# Altium PCB Slave_LHS.PcbDoc (part 2 of 3) (continued)
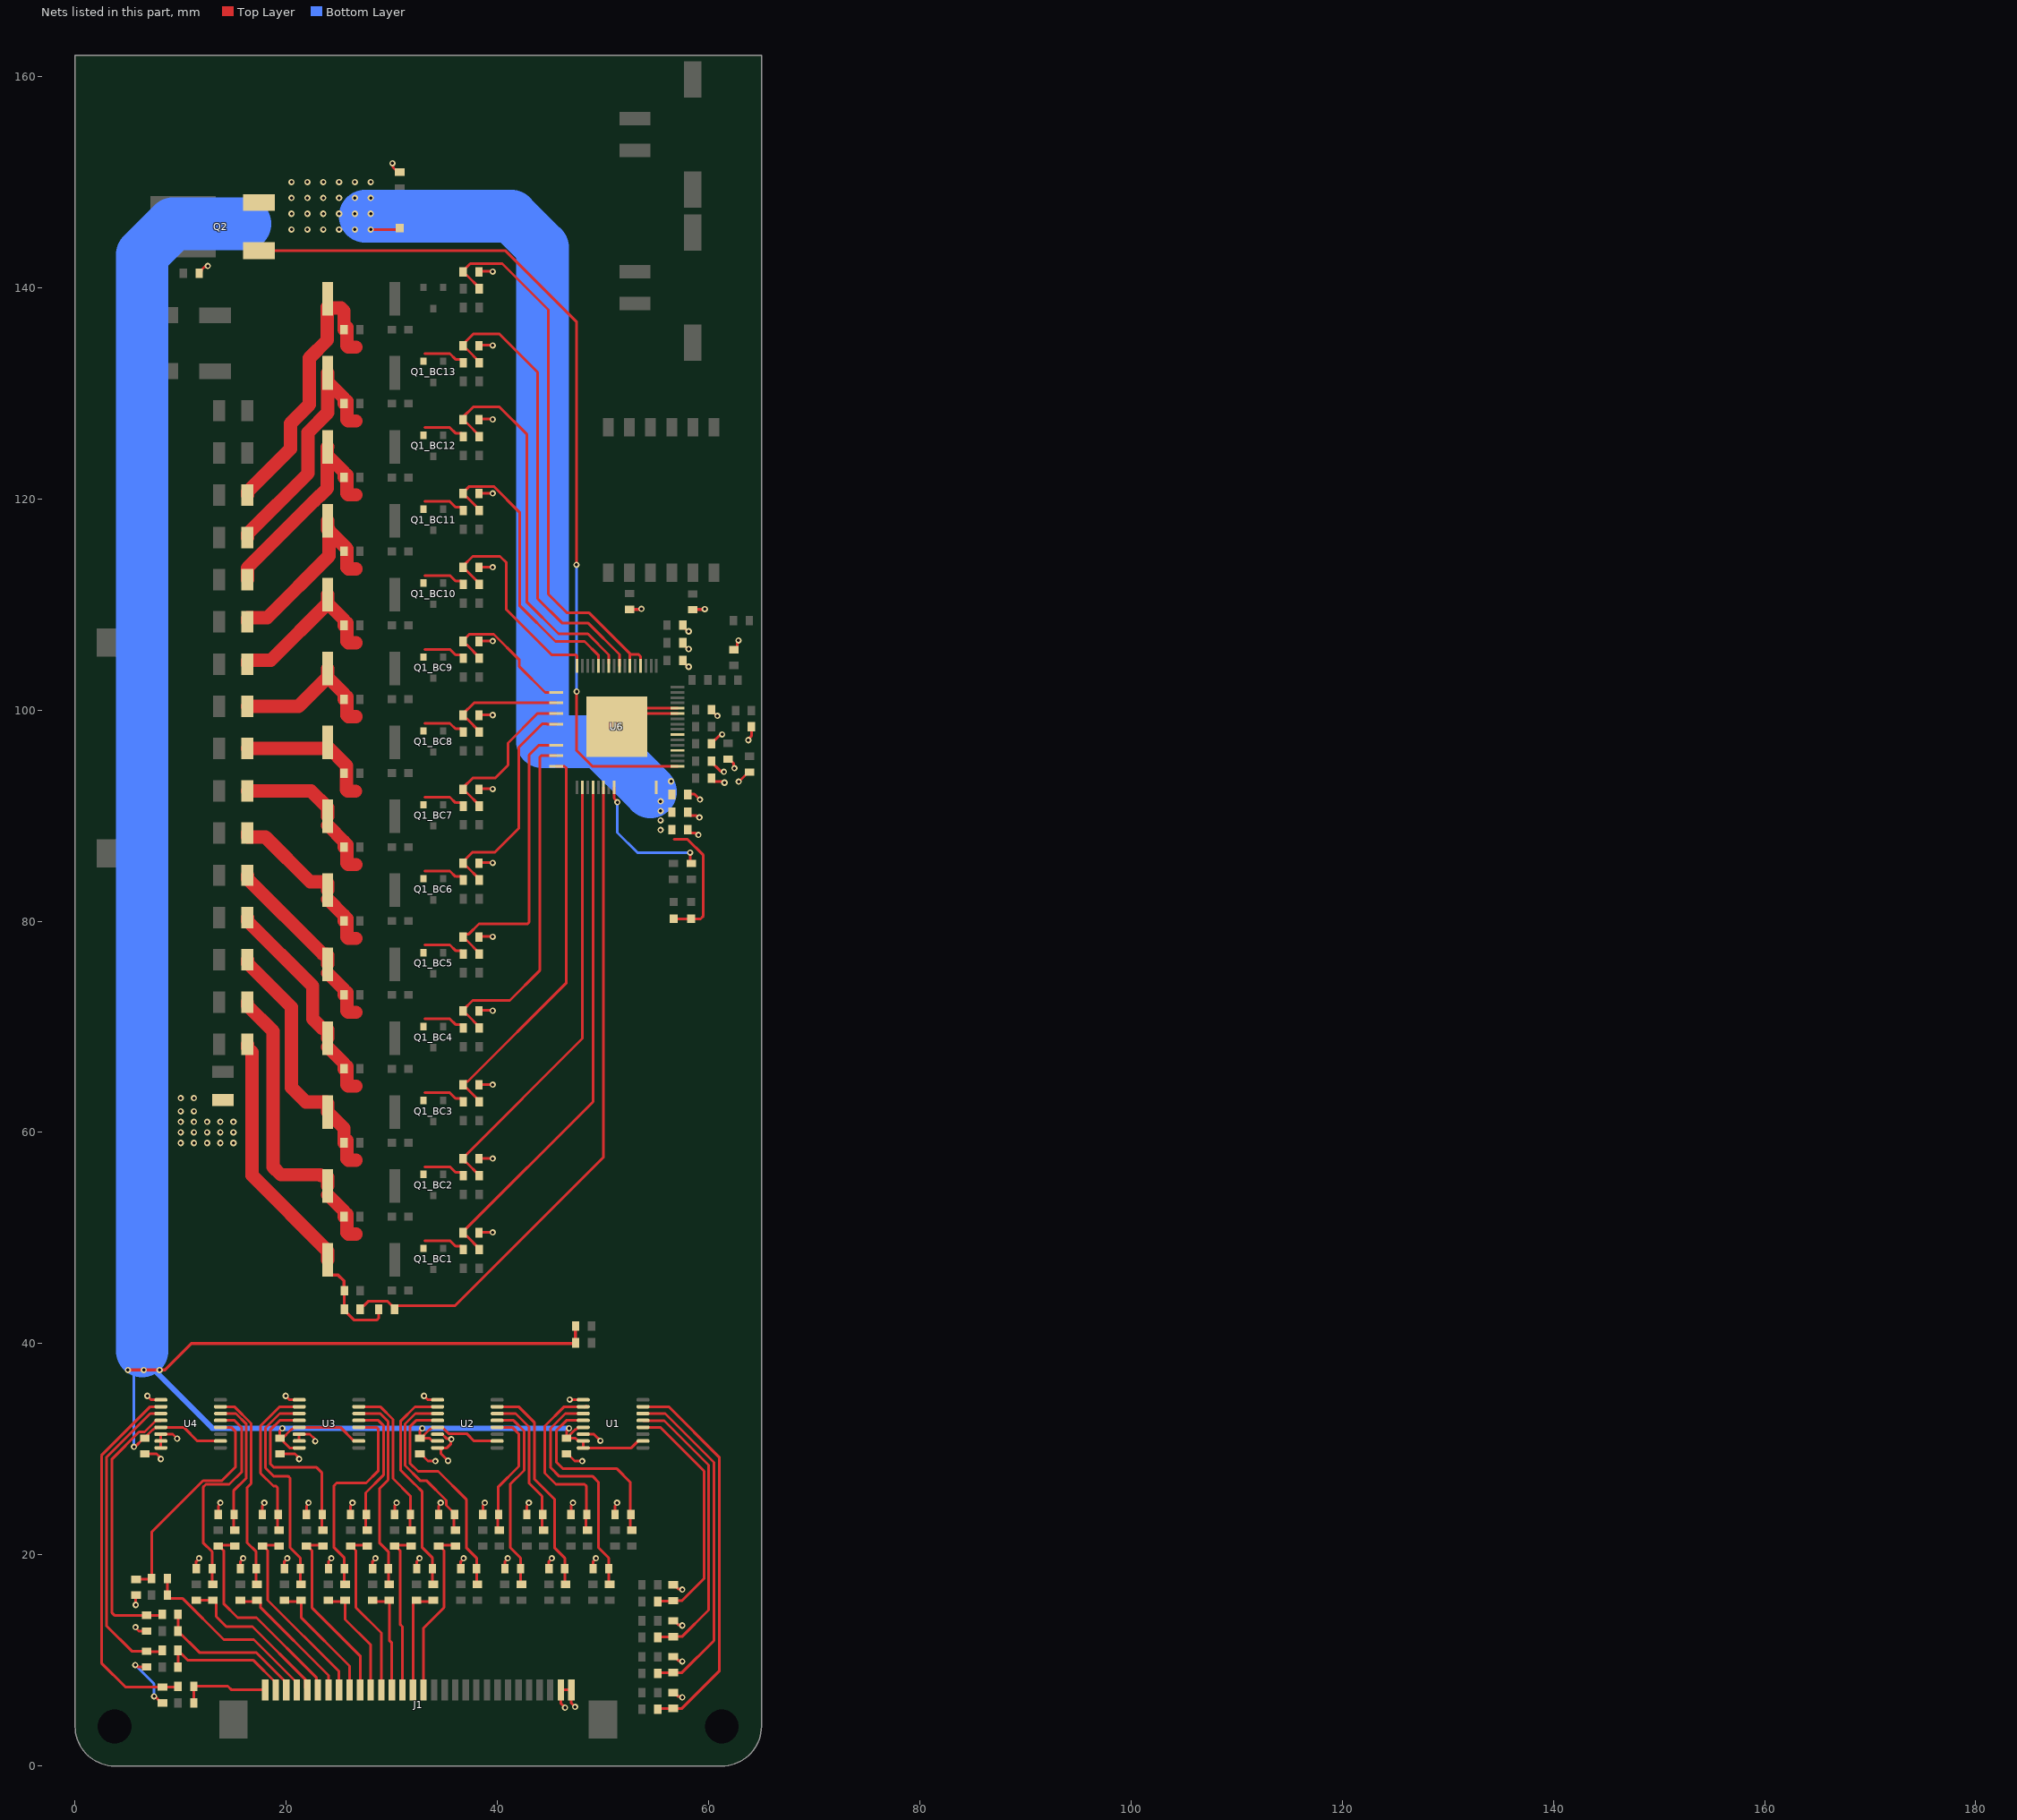
[diagram p2: the nets of this part, all layers, seen from the top]
## Part data (continued)
U6: "Multicell battery stack monitor that measures up to 15 series connected battery cells"

## Via types
v1: diameter 0.6, hole 0.3, Top Layer to Bottom Layer, 180 vias

## Nets (pads, with @x,y where several pads share a name; then routed paths per layer and width w, separated by ;. In a path a pad name is that pad's centre, name@x,y a point inside that pad or via, vN(x,y) a via of type N, cw(c..) or ccw(c..) an arc to the next point about the centre after c; other vN are vias at no path point)
+5: C1.2 C2.2 C3.2 C4.2 C13.2 C14.2 C15.2 D2.2 D3.2 D4.2 Q2.3 R1.2 R2.2 R11.1 U1.2 U1.13 U1.15 U1.16 U2.2 U2.13 U2.15 U3.2 U3.13 U3.16 U4.2 U4.13 U6.48 U6.52 U6.55 | length 345.9
  Top Layer w0.254: v1(5.575,30.225) 5.675,30.225 6.5,31.05 C4.2@6.55,31.05 ; C4.2@6.6,31.05 C4.2@6.55,31.05 ; U4.13@7.969,32.057 ccw(c7.969,31.061) 7.265,31.765 C4.2@6.55,31.05 ; U4.13@8.125,32.075 10.291,32.075 11.591,30.775 U4.2@13.775,30.775 ; v1(19.625,31.975) 19.4,31.75 C3.2@19.4,31.05 19.5,31.05 19.723,30.827 19.723,30.727 20.325,30.125 U3.16@21.225,30.125 ; C3.2@19.65,31.05 20.365,31.765 cw(c21.069,31.061) U3.13@21.069,32.057 ; U3.13@21.225,32.075 25.125,32.075 26.425,30.775 U3.2@26.875,30.775 ; v1(28,145.5) 30.6,145.5 D2.2@30.75,145.65 ; v1(32.875,31.975) 32.65,31.75 C2.2@32.65,31.05 C2.2@32.75,31.05 ; U2.13@34.169,32.057 ccw(c34.169,31.061) 33.465,31.765 C2.2@32.75,31.05 ; U2.15@34.325,30.775 33.849,30.775 33.574,31.05 C2.2@32.75,31.05 ; U2.13@34.325,32.075 34.775,32.075 35.371,31.479 37.087,31.479 37.791,30.775 U2.2@39.975,30.775 ; v1(46.775,31.975) 46.55,31.75 C1.2@46.55,31.05 ; U1.13@47.969,32.057 ccw(c47.969,31.061) 47.265,31.765 C1.2@46.55,31.05 ; U1.2@53.775,30.775 53.325,30.775 52.675,30.125 U1.16@48.125,30.125 U1.15@48.125,30.775 47.656,30.775 47.381,31.05 C1.2@46.55,31.05 ; D4.2@56.675,80.225 59.225,80.225 59.5,80.5 59.5,86.25 58,87.75 56.75,87.75 ; v1(63.75,97.15) 63.75,97.244 64.05,97.544 R11.1@64.05,98.425 64.05,98.554 R11.1@64.098,98.602
  Top Layer w0.305: v1(5,37.5) v1(6.5,37.5) v1(8,37.5) 8.5,37.5 11,40 47.4,40 R2.2@47.4,41.65
  Bottom Layer w0.254: v1(5.575,30.225) 5.575,38.525 6,38.95
  Bottom Layer w0.508: 7.775,37.225 12.975,32.025 12.975,31.975 v1(19.625,31.975) v1(32.875,31.975) v1(46.775,31.975)
  Bottom Layer w5: 6.35,39.325 6.35,143.121 9.279,146.05 16.1,146.05 ; 27.5,146.75 41.321,146.75 44.25,143.821 44.25,97 49.75,97 54.5,92.25
  other v1: 55.45,88.65 55.45,89.55 55.45,90.45 55.45,91.35 56.45,93.25 20.5,145.5 22,145.5 23.5,145.5 25,145.5 26.5,145.5 20.5,147 22,147 23.5,147 25,147 26.5,147 28,147 20.5,148.5 22,148.5 23.5,148.5 25,148.5 26.5,148.5 28,148.5 20.5,150 22,150 23.5,150 25,150 26.5,150 28,150
ADCIN1: C22_AFE1.2 R22_AFE1.2 U4.10 | length 35.4
  Top Layer w0.254: U4.10@8.125,34.025 7.119,34.025 2.5,29.406 2.5,9.75 4.763,7.488 8.263,7.488 C22_AFE1.2@8.275,7.475 9.675,7.475 R22_AFE1.2@9.75,7.55
ADCIN2: C22_AFE2.2 R22_AFE2.2 U4.11 | length 29.2
  Top Layer w0.254: C22_AFE2.2@6.775,10.813 8.25,10.813 R22_AFE2.2@8.25,10.95 ; C22_AFE2.2@6.775,10.875 5.365,10.875 3,13.24 3,29.256 7.119,33.375 U4.11@8.125,33.375
ADCIN3: C22_AFE3.2 R22_AFE3.2 U4.12 | length 25.6
  Top Layer w0.254: U4.12@8.125,32.725 8.094,32.694 7.644,32.694 6.579,31.629 6.055,31.629 3.5,29.073 3.5,14.5 3.725,14.275 C22_AFE3.2@6.775,14.275 8.175,14.275 R22_AFE3.2@8.25,14.35
ADCIN4: C22_AFE4.2 R22_AFE4.2 U4.4 | length 21.3
  Top Layer w0.254: C22_AFE4.2@5.913,17.675 7.175,17.675 R22_AFE4.2@7.25,17.75 ; R22_AFE4.2@7.25,17.827 7.25,22.15 12.125,27.025 13.898,27.025 15.206,28.333 15.206,31.65 14.781,32.075 U4.4@13.775,32.075 ; C22_AFE4.2@5.775,17.675 5.875,17.675 C22_AFE4.2@5.775,17.675
ADCIN5: C22_AFE5.2 R22_AFE5.2 U4.5 | length 20.3
  Top Layer w0.254: R22_AFE5.2@13.05,17.2 12.975,17.275 C22_AFE5.2@12.975,18.675 12.975,20.289 12.121,21.143 12.121,26.396 12.394,26.669 14.597,26.669 15.8,27.872 15.8,32.028 15.103,32.725 U4.5@13.775,32.725
ADCIN6: C22_AFE6.2 R22_AFE6.2 U4.6 | length 13.4
  Top Layer w0.254: U4.6@13.775,33.375 15.234,33.375 16.225,32.384 16.225,27.275 15.006,26.056 15.006,23.856 C22_AFE6.2@15.063,23.8 ; R22_AFE6.2@15,22.325 C22_AFE6.2@15,23.8
ADCIN7: C22_AFE7.2 R22_AFE7.2 U4.7 | length 19.3
  Top Layer w0.254: U4.7@13.775,34.025 15.087,34.025 16.675,32.437 16.675,26.747 16.296,26.369 16.296,21.143 17.15,20.289 C22_AFE7.2@17.15,18.675 17.15,17.275 R22_AFE7.2@17.225,17.2
ADCIN8: C22_AFE8.2 R22_AFE8.2 U3.10 | length 15.1
  Top Layer w0.254: R22_AFE8.2@19.175,22.325 C22_AFE8.2@19.175,23.8 ; C22_AFE8.2@19.238,23.8 19.181,23.856 19.181,26.351 19.032,26.5 18.79,26.5 17.567,27.723 17.567,32.201 19.391,34.025 U3.10@21.225,34.025
ADCIN9: C22_AFE9.2 R22_AFE9.2 U3.11 | length 20.8
  Top Layer w0.254: U3.11@21.225,33.375 19.383,33.375 18.021,32.013 18.021,28.229 18.825,27.425 20.201,27.425 20.35,27.276 20.35,20.675 21.325,19.7 C22_AFE9.2@21.325,18.675 21.325,17.275 R22_AFE9.2@21.4,17.2
ADCIN10: C22_AFE10.2 R22_AFE10.2 U3.12 | length 17
  Top Layer w0.254: U3.12@21.225,32.725 19.375,32.725 18.475,31.825 18.475,28.625 18.825,28.275 22.875,28.275 23.356,27.794 23.356,23.856 C22_AFE10.2@23.413,23.8 ; R22_AFE10.2@23.35,22.325 C22_AFE10.2@23.35,23.8
ADCIN11: C22_AFE11.2 R22_AFE11.2 U3.4 | length 20.4
  Top Layer w0.254: R22_AFE11.2@25.575,17.2 25.5,17.275 C22_AFE11.2@25.5,18.675 25.5,19.7 24.525,20.675 24.525,26.552 24.773,26.8 27.575,26.8 28.7,27.925 28.7,31.926 28.551,32.075 U3.4@26.875,32.075
ADCIN12: C22_AFE12.2 R22_AFE12.2 U3.5 | length 13.2
  Top Layer w0.254: U3.5@26.875,32.725 28.725,32.725 29.2,32.25 29.2,27.55 27.531,25.881 27.531,23.856 C22_AFE12.2@27.588,23.8 ; R22_AFE12.2@27.525,22.325 C22_AFE12.2@27.525,23.8
ADCIN13: C22_AFE13.2 R22_AFE13.2 U3.6 | length 19.2
  Top Layer w0.254: U3.6@26.875,33.375 28.903,33.375 29.65,32.628 29.65,27.084 28.821,26.256 28.821,21.143 29.675,20.289 C22_AFE13.2@29.675,18.675 29.675,17.275 R22_AFE13.2@29.75,17.2
ADCIN14: C22_AFE14.2 R22_AFE14.2 U3.7 | length 14.9
  Top Layer w0.254: U3.7@26.875,34.025 28.9,34.025 30.1,32.825 30.1,27.225 31.763,25.562 C22_AFE14.2@31.763,23.8 ; R22_AFE14.2@31.7,22.325 C22_AFE14.2@31.7,23.8
ADCIN15: C22_AFE15.2 R22_AFE15.2 U2.10 | length 20.8
  Top Layer w0.254: R22_AFE15.2@33.925,17.2 33.85,17.275 C22_AFE15.2@33.85,18.675 33.85,19.7 32.875,20.675 32.875,25.975 32.179,26.671 32.17,26.671 30.85,27.991 30.85,32.675 32.182,34.007 34.307,34.007 U2.10@34.325,34.025
ADCIN16: C22_AFE16.2 R22_AFE16.2 U2.11 | length 15.8
  Top Layer w0.254: U2.11@34.325,33.375 32.225,33.375 31.25,32.4 31.25,28.45 32.673,27.027 33.271,27.027 35.154,25.144 35.154,24.684 35.881,23.956 35.881,23.856 C22_AFE16.2@35.938,23.8 ; R22_AFE16.2@35.875,22.325 C22_AFE16.2@35.875,23.8
ADCIN17: C22_AFE17.2 R22_AFE17.2 U2.12 | length 21.6
  Top Layer w0.254: U2.12@34.325,32.725 33.573,32.725 32.3,32.725 31.7,32.125 31.7,28.675 32.475,27.9 34.4,27.9 37.05,25.25 37.05,20.675 38.025,19.7 C22_AFE17.2@38.025,18.675 38.025,17.275 R22_AFE17.2@38.1,17.2
ADCIN18: C22_AFE18.2 R22_AFE18.2 U2.4 | length 12.3
  Top Layer w0.254: U2.4@39.975,32.075 41.4,32.075 42.025,31.45 42.025,28.375 40.056,26.406 40.056,23.856 C22_AFE18.2@40.113,23.8 ; R22_AFE18.2@40.05,22.325 C22_AFE18.2@40.05,23.8
ADCIN19: C22_AFE19.2 R22_AFE19.2 U2.5 | length 18.5
  Top Layer w0.254: U2.5@39.975,32.725 41.525,32.725 42.525,31.725 42.525,28 41.225,26.7 41.225,20.675 42.2,19.7 C22_AFE19.2@42.2,18.675 42.2,17.275 R22_AFE19.2@42.275,17.2
ADCIN20: C22_AFE20.2 R22_AFE20.2 U2.6 | length 13.9
  Top Layer w0.254: U2.6@39.975,33.375 41.725,33.375 43,32.1 43,26.775 44.231,25.544 44.231,23.856 C22_AFE20.2@44.288,23.8 ; R22_AFE20.2@44.225,22.325 C22_AFE20.2@44.225,23.8
ADCIN21: C22_AFE21.2 R22_AFE21.2 U2.7 | length 20.7
  Top Layer w0.254: U2.7@39.975,34.025 42,34.025 43.525,32.5 43.525,27.15 45.4,25.275 45.4,20.675 46.375,19.7 C22_AFE21.2@46.375,18.675 46.375,17.275 R22_AFE21.2@46.45,17.2
ADCIN22: C22_AFE22.2 R22_AFE22.2 U1.10 | length 17.7
  Top Layer w0.254: U1.10@48.125,34.025 46.317,34.025 44.475,32.183 44.475,27.742 45.542,26.675 48.257,26.675 48.406,26.526 48.406,23.856 C22_AFE22.2@48.463,23.8 ; U1.10@48.272,33.969 U1.10@48.406,34.104 ; R22_AFE22.2@48.4,22.325 C22_AFE22.2@48.4,23.8
ADCIN23: C22_AFE23.2 R22_AFE23.2 U1.11 | length 22.6
  Top Layer w0.254: U1.11@48.125,33.375 46.421,33.375 45.025,31.979 45.025,28.259 45.863,27.421 49.029,27.421 49.575,26.875 49.575,20.675 50.55,19.7 C22_AFE23.2@50.55,18.675 50.55,17.275 R22_AFE23.2@50.625,17.2
ADCIN24: C22_AFE24.2 R22_AFE24.2 U1.12 | length 18.3
  Top Layer w0.254: U1.12@48.138,32.725 46.525,32.725 45.575,31.775 45.575,28.775 46.175,28.175 51.281,28.175 52.581,26.875 52.581,23.856 C22_AFE24.2@52.638,23.8 ; R22_AFE24.2@52.575,22.325 C22_AFE24.2@52.575,23.8
ADCIN25: C22_AFE25.2 R22_AFE25.2 U1.4 | length 23
  Top Layer w0.254: U1.4@53.775,32.075 54.372,32.075 55.425,32.075 59.579,27.921 59.579,17.748 57.481,15.65 C22_AFE25.2@56.65,15.65 ; R22_AFE25.2@55.175,15.575 55.175,15.625 C22_AFE25.2@56.65,15.625
ADCIN26: C22_AFE26.2 R22_AFE26.2 U1.5 | length 27.6
  Top Layer w0.254: U1.5@53.775,32.725 53.806,32.694 55.806,32.694 60,28.5 60,14.769 57.481,12.25 C22_AFE26.2@56.65,12.25 ; R22_AFE26.2@55.175,12.175 55.175,12.225 C22_AFE26.2@56.65,12.225
ADCIN27: C22_AFE27.2 R22_AFE27.2 U1.6 | length 32.1
  Top Layer w0.254: U1.6@53.775,33.375 55.875,33.375 60.5,28.75 60.5,11.869 57.481,8.85 C22_AFE27.2@56.65,8.85 ; R22_AFE27.2@55.175,8.775 55.175,8.825 C22_AFE27.2@56.65,8.825
ADCIN28: C22_AFE28.2 R22_AFE28.2 U1.7 | length 36.8
  Top Layer w0.254: U1.7@53.775,34.025 56.225,34.025 61,29.25 61,8.969 57.481,5.45 C22_AFE28.2@56.65,5.45 ; R22_AFE28.2@55.175,5.375 55.175,5.425 C22_AFE28.2@56.65,5.425
C0: C17.2 R16.2 U6.38 | length 64.7
  Top Layer w0.254: R16.2@27,43.25 27,43.35 27.223,43.573 27.323,43.573 27.75,44 29.6,44 C17.2@30.25,43.35 ; C17.2@30.25,43.25 C17.2@30.25,43.35 ; U6.38@50.05,92.675 50.05,57.666 35.957,43.573 30.473,43.573 C17.2@30.25,43.35
C1: C5_BC1.2 R3_BC1.2 U6.36 | length 49.6
  Top Layer w0.254: R3_BC1.2@38.275,48.9 38.275,49 37.098,50.177 36.973,50.177 36.75,50.4 36.75,50.6 49.05,62.9 U6.36@49.05,92.675
C2: C5_BC2.2 R3_BC2.2 U6.34 | length 42
  Top Layer w0.254: C5_BC2.2@36.71,57.486 36.71,57.386 36.933,57.163 37.058,57.163 38.235,55.986 R3_BC2.2@38.235,55.886 ; C5_BC2.2@36.75,57.65 36.8,57.65 48.05,68.9 U6.34@48.05,92.675
C3: C5_BC3.2 R3_BC3.2 U6.32 | length 37.5
  Top Layer w0.254: R3_BC3.2@38.275,62.9 38.275,63 37.098,64.177 36.973,64.177 36.75,64.4 36.75,64.6 36.973,64.823 37.198,64.823 46.5,74.125 46.5,94.526 46.351,94.675 U6.32@45.55,94.675
C4: C5_BC4.2 R3_BC4.2 U6.30 | length 33
  Top Layer w0.254: R3_BC4.2@38.275,69.9 38.275,70 37.098,71.177 36.973,71.177 36.75,71.4 C5_BC4.2@36.75,71.5 36.75,71.6 37.65,72.5 41.175,72.5 44,75.325 44,95.526 44.149,95.675 U6.30@45.55,95.675
C5: C5_BC5.2 R3_BC5.2 U6.28 | length 28
  Top Layer w0.254: R3_BC5.2@38.275,76.9 38.275,77 37.098,78.177 36.973,78.177 36.75,78.4 36.75,78.567 36.973,78.79 37.29,78.79 38.25,79.75 42.851,79.75 43,79.899 43,95.75 43.925,96.675 U6.28@45.55,96.675
C6: C5_BC6.2 R3_BC6.2 U6.24 | length 21
  Top Layer w0.254: C5_BC6.2@36.75,85.5 36.75,85.4 36.973,85.177 37.098,85.177 38.275,84 R3_BC6.2@38.275,83.9 ; C5_BC6.2@36.75,85.65 37.65,86.55 39.772,86.55 42.008,88.786 42.008,96.459 44.228,98.679 44.7,98.679 44.702,98.677 45.548,98.677 U6.24@45.55,98.675
C7: C5_BC7.2 R3_BC7.2 U6.22 | length 15.3
  Top Layer w0.254: C5_BC7.2@36.75,92.5 36.75,92.4 36.973,92.177 37.098,92.177 38.275,91 R3_BC7.2@38.275,90.9 ; C5_BC7.2@36.75,92.65 37.65,93.55 39.772,93.55 41,94.778 41,96.876 43.811,99.687 44.7,99.687 44.71,99.677 45.548,99.677 U6.22@45.55,99.675
C8: C5_BC8.2 R3_BC8.2 U6.20 | length 11.5
  Top Layer w0.254: C5_BC8.2@36.75,99.5 36.75,99.4 36.973,99.177 37.098,99.177 38.275,98 R3_BC8.2@38.275,97.9 ; C5_BC8.2@36.75,99.65 37.775,100.675 U6.20@45.55,100.675
C9: C5_BC9.2 R3_BC9.2 U6.18 | length 14.1
  Top Layer w0.254: R3_BC9.2@38.275,104.9 38.275,105 37.098,106.177 36.973,106.177 36.75,106.4 36.75,106.6 37.329,107.179 39.644,107.179 42.081,104.741 42.081,104.113 44.519,101.675 U6.18@45.55,101.675
C10: C5_BC10.2 R3_BC10.2 U6.16 | length 20.9
  Top Layer w0.254: C5_BC10.2@36.75,113.5 36.75,113.4 36.973,113.177 37.098,113.177 38.275,112 R3_BC10.2@38.275,111.9 ; C5_BC10.2@36.75,113.65 37.65,114.55 40.25,114.55 40.85,113.95 40.85,109.5 45.112,105.238 47.401,105.238 47.55,105.089 U6.16@47.55,104.175
C11: C5_BC11.2 R3_BC11.2 U6.12 | length 28.2
  Top Layer w0.254: C5_BC11.2@36.75,120.5 36.75,120.4 36.973,120.177 37.098,120.177 38.275,119 R3_BC11.2@38.275,118.9 ; C5_BC11.2@36.75,120.6 37.329,121.179 39.644,121.179 42.089,118.734 42.089,109.905 45.492,106.502 48.254,106.502 49.55,105.206 U6.12@49.55,104.175
C12: C5_BC12.2 R3_BC12.2 U6.10 | length 36.3
  Top Layer w0.254: C5_BC12.2@36.75,127.5 36.75,127.4 36.973,127.177 37.098,127.177 38.275,126 R3_BC12.2@38.275,125.9 ; C5_BC12.2@36.75,127.75 37.716,128.716 40.184,128.716 42.8,126.1 42.8,110.2 45.787,107.213 48.562,107.213 50.55,105.225 U6.10@50.55,104.425
C13: C5_BC13.2 R3_BC13.2 U6.8 | length 43.7
  Top Layer w0.254: C5_BC13.2@36.75,134.5 36.75,134.4 36.973,134.177 37.098,134.177 38.275,133 R3_BC13.2@38.275,132.9 ; C5_BC13.2@36.75,134.65 37.716,135.616 40.184,135.616 43.808,131.992 43.808,110.557 46.144,108.221 48.604,108.221 51.55,105.275 U6.8@51.55,104.175
C14: C5_BC14.2 R3_BC14.2 U6.4 U6.6 | length 52.7
  Top Layer w0.254: R3_BC14.2@38.275,139.9 38.275,140 37.098,141.177 36.973,141.177 36.75,141.4 C5_BC14.2@36.75,141.5 36.75,141.6 37.425,142.275 40.45,142.275 44.816,137.909 44.816,110.975 46.562,109.229 48.646,109.229 52.55,105.325 ; U6.6@52.55,104.175 52.55,105.325 ; U6.4@53.55,104.175 53.55,105.075 53.375,105.25 52.625,105.25 52.55,105.325
CB1: C1.1 C2.1 C3.1 C4.1 C5_BC1.1 C5_BC2.1 C5_BC3.1 C5_BC4.1 C5_BC5.1 C5_BC6.1 C5_BC7.1 C5_BC8.1 C5_BC9.1 C5_BC10.1 C5_BC11.1 C5_BC12.1 C5_BC13.1 C5_BC14.1 C6.1 C7.1 C8.1 C9.1 C10.1 C11.1 C12.1 C13.1 C14.1 C15.1 C16.1 C17.1 C18.1 C19.1 C20.2 C21.1 C22_AFE1.1 C22_AFE2.1 C22_AFE3.1 C22_AFE4.1 C22_AFE5.1 C22_AFE6.1 C22_AFE7.1 C22_AFE8.1 C22_AFE9.1 C22_AFE10.1 C22_AFE11.1 C22_AFE12.1 C22_AFE13.1 C22_AFE14.1 C22_AFE15.1 C22_AFE16.1 C22_AFE17.1 C22_AFE18.1 C22_AFE19.1 C22_AFE20.1 C22_AFE21.1 C22_AFE22.1 C22_AFE23.1 C22_AFE24.1 C22_AFE25.1 C22_AFE26.1 C22_AFE27.1 C22_AFE28.1 F3.2 F4.2 J1.29 J1.30 R5_BC1.2 R6_BC1.1 R7.1 R12.1 R16.1 U1.9 U1.14 U2.9 U2.14 U2.16 U3.9 U3.14 U3.15 U4.9 U4.14 U4.15 U4.16 U6.59 U6.60 U6.65 | length 145.4
  Top Layer w0.254: v1(5.697,9.563) 5.744,9.563 5.925,9.381 6.769,9.381 C22_AFE2.1@6.775,9.375 ; v1(5.725,13.15) 5.725,13.09 6.034,12.781 6.769,12.781 C22_AFE3.1@6.775,12.775 ; v1(5.75,15.25) 5.75,16.15 C22_AFE4.1@5.775,16.175 ; C4.1@6.6,29.55 7.725,29.55 v1@8,29.275 ; v1(6.85,35.05) 7.225,34.675 U4.9@8.125,34.675 ; v1(7.475,6.6) 7.55,6.6 8.175,5.975 C22_AFE1.1@8.275,5.975 ; U4.16@8.125,30.125 U4.15@8.125,30.775 U4.14@8.125,31.425 9.25,31.425 v1(9.675,31) ; C22_AFE5.1@11.475,18.675 11.475,19.366 11.75,19.641 v1(11.75,19.675) ; C16.1@11.75,141.35 11.973,141.573 11.973,141.685 12.272,141.984 12.509,141.984 v1(12.575,142.05) ; C22_AFE6.1@13.563,23.8 13.569,23.806 13.569,24.65 13.75,24.831 v1(13.75,24.925) ; C22_AFE7.1@15.65,18.675 15.65,19.366 15.925,19.641 v1(15.925,19.675) ; C22_AFE8.1@17.738,23.8 17.744,23.806 17.744,24.65 17.925,24.831 v1(17.925,24.925) ; C3.1@19.4,29.55 20.825,29.55 v1@21.1,29.275 ; C22_AFE9.1@19.825,18.675 19.825,19.366 20.1,19.641 v1(20.1,19.675) ; v1(19.95,35.05) 20.325,34.675 U3.9@21.225,34.675 ; U3.15@21.225,30.775 U3.14@21.225,31.425 22.231,31.425 22.684,30.972 22.684,30.816 v1(22.75,30.75) ; C22_AFE10.1@21.913,23.8 21.919,23.806 21.919,24.65 22.1,24.831 v1(22.1,24.925) ; C22_AFE11.1@24,18.675 24,19.366 24.275,19.641 v1(24.275,19.675) ; R6_BC1.1@25.5,45.025 R16.1@25.5,43.25 25.5,43.15 26.4,42.25 28.601,42.25 28.75,42.399 C17.1@28.75,43.25 ; C22_AFE12.1@26.088,23.8 26.094,23.806 26.094,24.65 26.275,24.831 v1(26.275,24.925) ; C22_AFE13.1@28.175,18.675 28.175,19.366 28.45,19.641 v1(28.45,19.675) ; v1(30.05,151.775) 30.115,151.71 30.115,151.385 30.327,151.173 30.527,151.173 R12.1@30.75,150.95 ; C22_AFE14.1@30.263,23.8 30.269,23.806 30.269,24.65 30.45,24.831 v1(30.45,24.925) ; C22_AFE15.1@32.35,18.675 32.35,19.366 32.625,19.641 v1(32.625,19.675) ; C2.1@32.65,29.55 32.75,29.55 33.425,28.875 v1(34.125,28.875) ; v1(33.05,35.05) 33.425,34.675 U2.9@34.325,34.675 ; U2.16@34.325,30.125 U2.16@34.616,30.125 ; U2.14@34.325,31.425 34.775,31.425 35.184,31.016 35.559,31.016 v1(35.625,30.95) 35.559,30.884 35.559,30.467 35.217,30.125 U2.16@34.616,30.125 ; C22_AFE16.1@34.438,23.8 34.444,23.806 34.444,24.65 34.625,24.831 v1(34.625,24.925) ; v1(35.325,28.9) 34.661,29.564 34.661,30.081 U2.16@34.616,30.125 ; C22_AFE17.1@36.525,18.675 36.525,19.366 36.8,19.641 v1(36.8,19.675) ; C5_BC1.1@38.3,50.55 39.525,50.55 v1(39.55,50.525) ; C5_BC2.1@38.3,57.55 39.525,57.55 v1(39.55,57.525) ; C5_BC3.1@38.3,64.55 39.525,64.55 v1(39.55,64.525) ; C5_BC4.1@38.3,71.55 39.525,71.55 v1(39.55,71.525) ; C5_BC5.1@38.3,78.55 39.525,78.55 v1(39.55,78.525) ; C5_BC6.1@38.3,85.55 39.525,85.55 v1(39.55,85.525) ; C5_BC7.1@38.3,92.55 39.525,92.55 v1(39.55,92.525) ; C5_BC8.1@38.3,99.55 39.525,99.55 v1(39.55,99.525) ; C5_BC9.1@38.3,106.55 39.525,106.55 v1(39.55,106.525) ; C5_BC10.1@38.3,113.55 39.525,113.55 v1(39.55,113.525) ; C5_BC11.1@38.3,120.55 39.525,120.55 v1(39.55,120.525) ; C5_BC12.1@38.3,127.55 39.525,127.55 v1(39.55,127.525) ; C5_BC13.1@38.3,134.55 39.525,134.55 v1(39.55,134.525) ; C5_BC14.1@38.3,141.55 39.525,141.55 v1(39.55,141.525) ; C22_AFE18.1@38.613,23.8 38.619,23.806 38.619,24.65 38.8,24.831 v1(38.8,24.925) ; C22_AFE19.1@40.7,18.675 40.7,19.366 40.975,19.641 v1(40.975,19.675) ; C22_AFE20.1@42.788,23.8 42.794,23.806 42.794,24.65 42.975,24.831 v1(42.975,24.925) ; C22_AFE21.1@44.875,18.675 44.875,19.366 45.15,19.641 v1(45.15,19.675) ; v1(46.4,5.525) 46,5.925 J1.29@46,7.2 J1.30@47,7.2 47,5.95 v1(47.35,5.6) ; C1.1@46.55,29.55 46.65,29.55 47.325,28.875 v1(48.025,28.875) ; v1(46.85,34.7) 47.582,34.7 47.589,34.693 48.007,34.693 U1.9@48.014,34.7 ; C22_AFE22.1@46.963,23.8 46.969,23.806 46.969,24.65 47.15,24.831 v1(47.15,24.925) ; U1.14@47.86,31.425 U1.14@48.125,31.425 49.125,31.425 v1(49.75,30.8) ; C22_AFE23.1@49.05,18.675 49.05,19.366 49.325,19.641 v1(49.325,19.675) ; C22_AFE24.1@51.138,23.8 51.144,23.806 51.144,24.65 51.325,24.831 v1(51.325,24.925) ; U6.65@51.3,98.425 U6.65@52.55,99.675 ; C22_AFE28.1@56.65,6.863 56.838,6.863 57.134,6.566 57.434,6.566 v1(57.5,6.5) ; C22_AFE27.1@56.65,10.263 56.838,10.263 57.134,9.966 57.434,9.966 v1(57.5,9.9) ; C22_AFE26.1@56.65,13.662 56.838,13.662 57.134,13.366 57.434,13.366 v1(57.5,13.3) ; C22_AFE25.1@56.65,17.063 56.838,17.063 57.134,16.766 57.434,16.766 v1(57.5,16.7) ; U6.59@57.05,99.675 U6.65@52.55,99.675 ; U6.60@57.05,100.175 53.05,100.175 U6.65@52.55,99.675 ; C8.1@57.75,104.425 57.75,104.402 58.047,104.105 v1(58.109,104.105) ; C6.1@57.75,106.099 57.75,106.076 58.047,105.779 v1(58.109,105.779) ; C7.1@57.75,107.773 57.75,107.75 58.047,107.453 v1(58.109,107.453) ; C15.1@58.023,92.002 58.071,92.05 58.65,92.05 v1(59.175,91.525) ; C13.1@58.047,88.553 58.246,88.354 58.752,88.354 58.931,88.175 v1(59.025,88.175) ; C14.1@58.047,90.215 58.246,90.016 58.84,90.016 59.031,89.825 v1(59.125,89.825) ; C11.1@60.275,95.15 60.275,95.05 61.109,94.216 61.384,94.216 v1(61.45,94.15) ; C9.1@60.275,96.85 61.109,97.684 v1(61.284,97.684) ; C12.1@60.402,93.402 60.402,93.323 60.498,93.227 61.304,93.227 61.406,93.125 v1(61.5,93.125) ; R7.1@60.475,99.773 60.475,99.75 60.772,99.453 v1(60.834,99.453) ; C10.1@61.85,95.35 61.95,95.35 62.384,94.916 62.384,94.563 v1(62.45,94.497) ; C18.1@62.4,105.725 62.5,105.725 62.723,105.948 62.723,106.404 62.825,106.506 v1(62.825,106.6) ; v1(62.85,93.225) 62.875,93.225 63.775,94.125 C19.1@63.875,94.125
  Top Layer w0.305: R5_BC1.2@23.925,47.933 23.925,46.853 24.283,46.495 24.9,46.495 25.463,45.932 R6_BC1.1@25.463,45.025 ; C21.1@52.587,109.538 v1@53.587,109.538 ; C20.2@58.587,109.513 v1@59.587,109.513
  Top Layer w1.27: F3.2@16.32,68.35 16.32,68.035 16.75,67.605 16.75,55.938 23.925,48.763 R5_BC1.2@23.925,47.933
  Bottom Layer w0.254: v1(5.697,9.563) 7.475,7.784 v1(7.475,6.6)
  other v1: 8.125,29.075 21.225,29.075 10,59 11.25,59 12.5,59 13.75,59 15,59 10,60 11.25,60 12.5,60 13.75,60 15,60 10,61 11.25,61 12.5,61 13.75,61 15,61 10,62 11.25,62 10,63.25 11.25,63.25 59.637,109.563 53.637,109.588
CB2: F1_BC1.2 Q1_BC1.2 R3_BC1.1 R5_BC2.2 R6_BC2.1 | length 32.5
  Top Layer w0.254: 33.098,49.75 35.5,49.75 36.027,49.223 36.552,49.223 36.775,49 R3_BC1.1@36.775,48.9
  Top Layer w1.25: F1_BC1.2@16.32,72.35 16.32,72.015 18.75,69.585 18.75,56.732 19.482,56 23.193,56 23.295,55.898 23.81,55.898 23.925,55.783 R5_BC2.2@23.925,54.933 ; R5_BC2.2@23.925,54.083 25.463,52.545 R6_BC2.1@25.463,52.025 ; R6_BC2.1@25.75,52.258 25.75,50.5 25.875,50.375 26.613,50.375
CB3: F1_BC2.2 Q1_BC2.2 R3_BC2.1 R5_BC3.2 R6_BC3.1 | length 29.4
  Top Layer w0.254: 33.098,56.75 35.5,56.75 36.027,56.223 36.552,56.223 36.775,56 R3_BC2.1@36.775,55.9
  Top Layer w1.25: R5_BC3.2@23.925,61.933 25.463,60.395 R6_BC3.1@25.463,59.025 25.517,59.025 25.75,59.258 25.75,57.5 25.875,57.375 26.613,57.375
  Top Layer w1.27: F1_BC2.2@16.32,76.35 16.32,76.035 20.5,71.855 20.5,64.244 21.856,62.888 23.8,62.888 23.925,62.763 R5_BC3.2@23.925,61.933
CB4: F1_BC3.2 Q1_BC3.2 R3_BC3.1 R5_BC4.2 R6_BC4.1 | length 24.3
  Top Layer w0.254: 33.098,63.75 35.5,63.75 36.027,63.223 36.552,63.223 36.775,63 R3_BC3.1@36.775,62.9
  Top Layer w1.25: R5_BC4.2@23.925,68.083 25.463,66.545 R6_BC4.1@25.463,66.025 ; R6_BC4.1@25.75,66.258 25.75,64.5 25.875,64.375 26.613,64.375
  Top Layer w1.27: F1_BC3.2@16.32,80.35 16.32,80.035 22.5,73.855 22.5,70.757 23.369,69.888 23.8,69.888 23.925,69.763 R5_BC4.2@23.925,68.933
CB5: F1_BC4.2 Q1_BC4.2 R3_BC4.1 R5_BC5.2 R6_BC5.1 | length 21.2
  Top Layer w0.254: 33.098,70.75 35.5,70.75 36.027,70.223 36.552,70.223 36.775,70 R3_BC4.1@36.775,69.9
  Top Layer w1.25: R5_BC5.2@23.925,75.083 25.463,73.545 R6_BC5.1@25.463,73.025 ; R6_BC5.1@25.75,73.258 25.75,71.5 25.875,71.375 26.613,71.375
  Top Layer w1.27: F1_BC4.2@16.32,84.35 16.32,84.035 23.467,76.888 23.8,76.888 23.925,76.763 R5_BC5.2@23.925,75.933
CB6: F1_BC5.2 Q1_BC5.2 R3_BC5.1 R5_BC6.2 R6_BC6.1 | length 19.9
  Top Layer w0.254: 33.098,77.75 35.5,77.75 36.027,77.223 36.552,77.223 36.775,77 R3_BC5.1@36.775,76.9
  Top Layer w1.25: R5_BC6.2@23.925,82.083 25.463,80.545 R6_BC6.1@25.463,80.025 ; R6_BC6.1@25.75,80.258 25.75,78.5 25.875,78.375 26.613,78.375
  Top Layer w1.27: F1_BC5.2@16.32,88.35 16.32,88.035 16.385,87.97 18.03,87.97 22.281,83.719 23.8,83.719 23.925,83.594 R5_BC6.2@23.925,82.933
CB7: F1_BC6.2 Q1_BC6.2 R3_BC6.1 R5_BC7.2 R6_BC7.1 | length 18.5
  Top Layer w0.254: 33.098,84.75 35.5,84.75 36.027,84.223 36.552,84.223 36.775,84 R3_BC6.1@36.775,83.9
  Top Layer w1.25: R5_BC7.2@23.925,89.083 25.463,87.545 R6_BC7.1@25.463,87.025 ; R6_BC7.1@25.75,87.258 25.75,85.5 25.875,85.375 26.613,85.375
  Top Layer w1.27: F1_BC6.2@16.32,92.35 22.338,92.35 23.925,90.763 R5_BC7.2@23.925,89.933
CB8: F1_BC7.2 Q1_BC7.2 R3_BC7.1 R5_BC8.2 R6_BC8.1 | length 17.3
  Top Layer w0.254: 33.098,91.75 35.5,91.75 36.027,91.223 36.552,91.223 36.775,91 R3_BC7.1@36.775,90.9
  Top Layer w1.25: R5_BC8.2@23.925,96.517 25.7,94.741 25.7,94.208 25.7,92.45 ; 25.825,92.325 26.563,92.325
  Top Layer w1.27: F1_BC7.2@16.32,96.35 23.8,96.35 23.925,96.475 R5_BC8.2@23.925,96.517
CB9: F1_BC8.2 Q1_BC8.2 R3_BC8.1 R5_BC9.2 R6_BC9.1 | length 19
  Top Layer w0.254: 33.098,98.75 35.5,98.75 36.027,98.223 36.552,98.223 36.775,98 R3_BC8.1@36.775,97.9
  Top Layer w1.25: R5_BC9.2@23.925,103.083 25.463,101.545 R6_BC9.1@25.463,101.025 ; R6_BC9.1@25.75,101.258 25.75,99.5 25.875,99.375 26.613,99.375
  Top Layer w1.27: F1_BC8.2@16.32,100.35 21.172,100.35 23.925,103.103 R5_BC9.2@23.925,103.933
CB10: F1_BC9.2 Q1_BC9.2 R3_BC9.1 R5_BC10.2 R6_BC10.1 | length 20.5
  Top Layer w0.254: 33.098,105.75 35.5,105.75 36.027,105.223 36.552,105.223 36.775,105 R3_BC9.1@36.775,104.9
  Top Layer w1.25: R5_BC10.2@23.925,110.083 25.463,108.545 R6_BC10.1@25.463,108.025 ; R6_BC10.1@25.75,108.258 25.75,106.5 25.875,106.375 26.613,106.375
  Top Layer w1.27: F1_BC9.2@16.32,104.35 16.32,104.665 16.385,104.73 18.552,104.73 23.925,110.103 R5_BC10.2@23.925,110.933
CB11: F1_BC10.2 Q1_BC10.2 R3_BC10.1 R5_BC11.2 R6_BC11.1 | length 23.2
  Top Layer w0.254: 33.098,112.75 35.5,112.75 36.027,112.223 36.552,112.223 36.775,112 R3_BC10.1@36.775,111.9
  Top Layer w1.25: R6_BC11.1@25.75,115.258 25.75,113.5 25.875,113.375 26.613,113.375
  Top Layer w1.27: F1_BC10.2@16.32,108.35 16.32,108.665 16.385,108.73 18.18,108.73 24.05,114.6 24.05,117.103 23.925,117.228 R5_BC11.2@23.925,117.933 ; R5_BC11.2@23.925,117.103 R6_BC11.1@25.75,115.278
CB12: F1_BC11.2 Q1_BC11.2 R3_BC11.1 R5_BC12.2 R6_BC12.1 | length 25.2
  Top Layer w0.254: 33.098,119.75 35.5,119.75 36.027,119.223 36.552,119.223 36.775,119 R3_BC11.1@36.775,118.9
  Top Layer w1.25: R5_BC12.2@23.925,124.083 25.463,122.545 R6_BC12.1@25.463,122.025 ; R6_BC12.1@25.75,122.258 25.75,120.5 25.875,120.375 26.613,120.375
  Top Layer w1.27: F1_BC11.2@16.32,112.35 16.32,113.47 22.678,119.828 23.11,120.26 23.154,120.26 23.898,121.004 23.898,124.083 23.898,124.906 R5_BC12.2@23.925,124.933
CB13: F1_BC12.2 Q1_BC12.2 R3_BC12.1 R5_BC13.2 R6_BC13.1 | length 28
  Top Layer w0.254: 33.098,126.75 35.5,126.75 36.027,126.223 36.552,126.223 36.775,126 R3_BC12.1@36.775,125.9
  Top Layer w1.25: R5_BC13.2@24.04,130.968 25.463,129.545 R6_BC13.1@25.463,129.025 ; R6_BC13.1@25.75,129.258 25.75,127.5 25.875,127.375 26.613,127.375
  Top Layer w1.27: F1_BC12.2@16.32,116.35 16.32,116.665 22.075,122.42 22.075,126.3 23.925,128.15 23.925,130.968 R5_BC13.2@23.925,131.933
CB14: F1_BC13.2 Q1_BC13.2 R3_BC13.1 R5_BC14.2 R6_BC14.1 | length 31.2
  Top Layer w0.254: 33.098,133.75 35.5,133.75 36.027,133.223 36.552,133.223 36.775,133 R3_BC13.1@36.775,132.9
  Top Layer w1.25: 25.175,138.083 25.463,137.795 R6_BC14.1@25.463,136.025 ; R6_BC14.1@25.75,136.258 25.75,134.5 25.875,134.375 26.613,134.375
  Top Layer w1.27: F1_BC13.2@16.32,120.35 16.32,120.665 20.4,124.745 20.4,127.15 22.175,128.925 22.175,133.325 23.898,135.048 23.898,138.181 23.925,138.208 24.05,138.083 25.175,138.083
COMMS_LED: R13.1 U6.40 | length 13.2
  Top Layer w0.254: U6.40@51.05,92.675 51.05,91.644 51.35,91.344 v1(51.35,91.275) ; v1(58.25,86.5) 58.25,85.575 R13.1@58.35,85.475
  Bottom Layer w0.254: v1(51.35,91.275) 51.35,88.4 53.25,86.5 v1(58.25,86.5)
Drive: Q2.1 U6.49 | length 83.7
  Top Layer w0.254: Q2.1@17.405,143.49 40.78,143.49 47.475,136.795 v1(47.475,113.75) ; v1(47.5,101.75) 47.5,96.162 48.987,94.675 U6.49@57.05,94.675
  Bottom Layer w0.254: v1(47.475,113.75) 47.487,113.738 47.487,101.762 v1(47.5,101.75)
FPC1: J1.1 R21_AFE1.1 R22_AFE1.1 | length 8.5
  Top Layer w0.254: R21_AFE1.1@11.25,5.975 R22_AFE1.1@11.25,7.55 14.473,7.55 14.823,7.2 J1.1@18,7.2
FPC2: J1.2 R21_AFE2.1 R22_AFE2.1 | length 12.8
  Top Layer w0.254: R21_AFE2.1@9.75,9.375 R22_AFE2.1@9.75,10.95 10.7,10 16.895,10 19,7.895 J1.2@19,7.2
FPC3: J1.3 R21_AFE3.1 R22_AFE3.1 | length 14.5
  Top Layer w0.254: R22_AFE3.1@9.75,14.35 R21_AFE3.1@9.75,12.775 11.775,10.75 17.145,10.75 20,7.895 J1.3@20,7.2
FPC4: J1.4 R21_AFE4.1 R22_AFE4.1 | length 18.1
  Top Layer w0.254: R21_AFE4.1@8.75,16.175 R21_AFE4.1@8.75,16.075 ; R22_AFE4.1@8.75,17.75 R21_AFE4.1@8.75,16.075 ; J1.4@21,7.2 21,7.895 16.933,11.963 14.089,11.963 10.2,15.852 8.973,15.852 R21_AFE4.1@8.75,16.075
FPC5: J1.5 R21_AFE5.1 R22_AFE5.1 | length 15.3
  Top Layer w0.254: R21_AFE5.1@11.475,15.7 R22_AFE5.1@13.05,15.7 13.15,15.7 13.373,15.477 13.373,14.152 14.325,13.2 16.8,13.2 21.822,8.178 21.822,7.378 J1.5@22,7.2
FPC6: J1.6 R21_AFE6.1 R22_AFE6.1 | length 20.3
  Top Layer w0.254: R22_AFE6.1@15.138,20.825 15.063,20.9 13.637,20.9 R21_AFE6.1@13.563,20.825 13.663,20.825 14.075,20.412 14.075,15.375 15.4,14.05 17.175,14.05 22.845,8.38 22.845,7.355 J1.6@23,7.2
FPC7: J1.7 R21_AFE7.1 R22_AFE7.1 | length 12.9
  Top Layer w0.254: R21_AFE7.1@15.65,15.575 R22_AFE7.1@17.225,15.575 ; R22_AFE7.1@17.225,15.7 17.325,15.7 17.548,15.477 17.548,15.033 24,8.581 J1.7@24,7.2
FPC8: J1.8 R21_AFE8.1 R22_AFE8.1 | length 18.3
  Top Layer w0.254: R22_AFE8.1@19.313,20.825 19.238,20.9 17.812,20.9 R21_AFE8.1@17.738,20.825 17.838,20.825 18.25,20.412 18.25,15.7 25,8.95 J1.8@25,7.2
FPC9: J1.9 R21_AFE9.1 R22_AFE9.1 | length 12
  Top Layer w0.254: R21_AFE9.1@19.825,15.575 R22_AFE9.1@21.4,15.575 ; R22_AFE9.1@21.4,15.7 21.4,14.075 26,9.475 J1.9@26,7.2
FPC10: J1.10 R21_AFE10.1 R22_AFE10.1 | length 17.4
  Top Layer w0.254: R22_AFE10.1@23.488,20.825 23.413,20.9 21.987,20.9 R21_AFE10.1@21.913,20.825 22.013,20.825 22.425,20.412 22.425,15 27,10.425 J1.10@27,7.2
FPC11: J1.11 R21_AFE11.1 R22_AFE11.1 | length 11.1
  Top Layer w0.254: R21_AFE11.1@24,15.575 R22_AFE11.1@25.575,15.575 ; R22_AFE11.1@25.575,15.7 25.575,13.875 28,11.45 J1.11@28,7.2
FPC12: J1.12 R21_AFE12.1 R22_AFE12.1 | length 16.5
  Top Layer w0.254: R22_AFE12.1@27.663,20.825 27.588,20.9 26.162,20.9 R21_AFE12.1@26.088,20.825 26.188,20.825 26.6,20.412 26.6,15 29,12.6 J1.12@29,7.2
FPC13: J1.13 R21_AFE13.1 R22_AFE13.1 | length 10.2
  Top Layer w0.254: R21_AFE13.1@28.175,15.575 R22_AFE13.1@29.75,15.575 ; R22_AFE13.1@29.75,15.7 R22_AFE13.1@29.75,15.575 ; J1.13@30,7.2 30,11.65 29.75,11.9 R22_AFE13.1@29.75,15.575
FPC14: J1.14 R21_AFE14.1 R22_AFE14.1 | length 15.6
  Top Layer w0.254: J1.14@31,7.2 31,13.2 30.775,13.425 30.775,20.412 30.363,20.825 R21_AFE14.1@30.263,20.825 30.337,20.9 31.763,20.9 R22_AFE14.1@31.838,20.825
FPC15: J1.15 R21_AFE15.1 R22_AFE15.1 | length 10.3
  Top Layer w0.254: J1.15@32,7.2 32,15.328 32.027,15.355 32.027,15.477 32.25,15.7 R21_AFE15.1@32.35,15.7 ; R21_AFE15.1@32.35,15.575 R22_AFE15.1@33.925,15.575
FPC16: J1.16 R21_AFE16.1 R22_AFE16.1 | length 16.3
  Top Layer w0.254: J1.16@33,7.2 33,13.05 34.95,15 34.95,20.412 34.538,20.825 R21_AFE16.1@34.438,20.825 34.512,20.9 35.938,20.9 R22_AFE16.1@36.013,20.825